# Altium PCB DIOT_Backplane.pcbdoc (part 3 of 11)
Units mm, origin at the board's own origin, x right, y up, seen from the top; angles counter-clockwise.
Board outline 304.8 x 128.5 mm, 14 copper layers (Top Layer, L2, L3GND, L4, L5GND, L6, L7GND, L8, L9GND, L10, L11GND, L12, L13GND, Bottom Layer), stack 4.06 mm thick; 141 components, 1224 nets, 5318 pads, 471 vias.
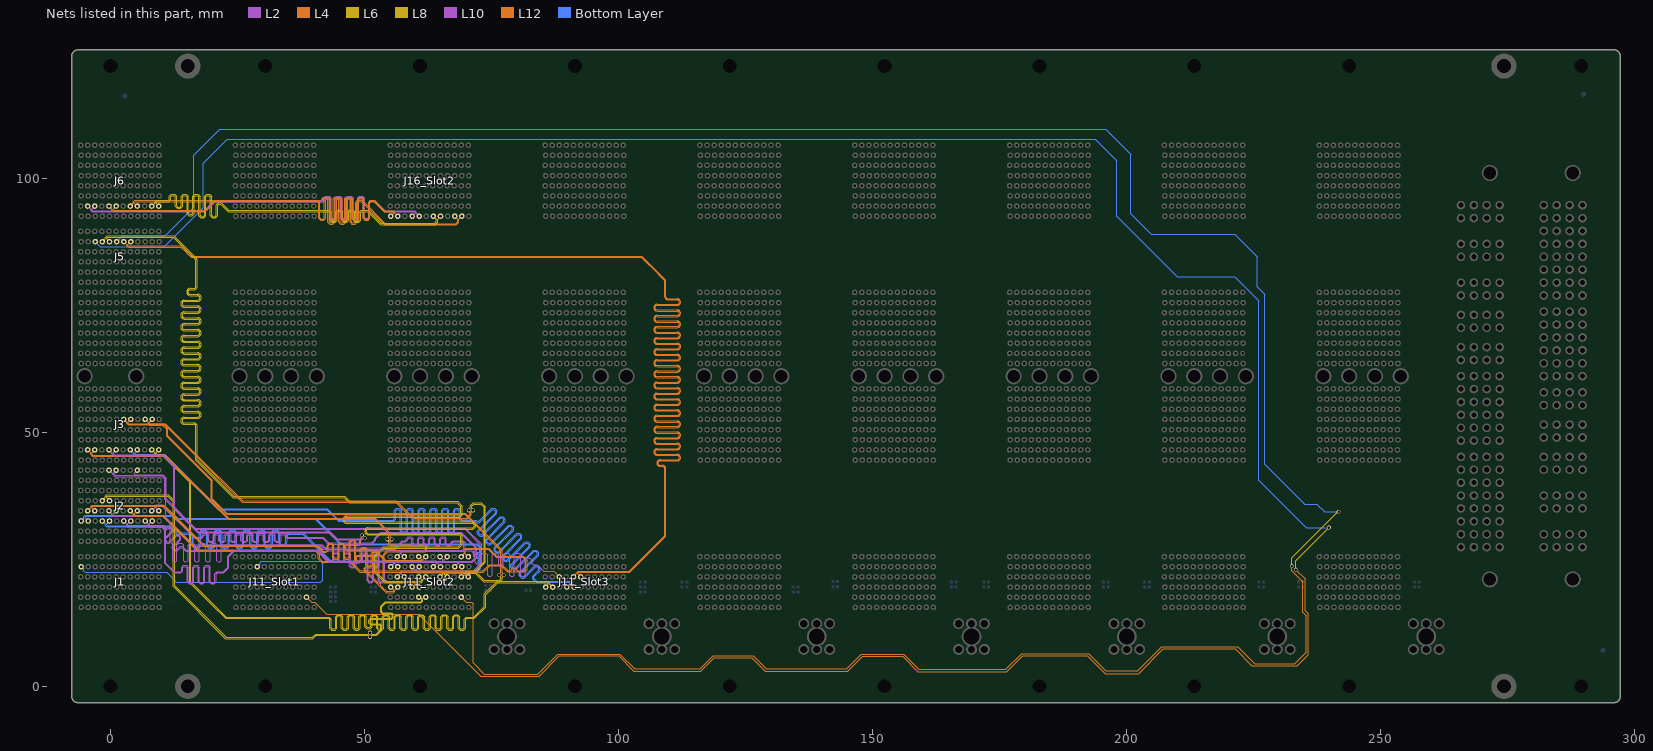
[diagram p15: the nets of this part, all layers, seen from the top]

## Via types
v1: diameter 0.75, hole 0.5, Top Layer to Bottom Layer, tented both sides, 429 vias
v2: diameter 0.85, hole 0.5, Top Layer to Bottom Layer, tented both sides, 32 vias
v3: diameter 1.3, hole 1, Top Layer to Bottom Layer, tented both sides, 10 vias

## Nets (pads, with @x,y where several pads share a name; then routed paths per layer and width w, separated by ;. In a path a pad name is that pad's centre, name@x,y a point inside that pad or via, vN(x,y) a via of type N, cw(c..) or ccw(c..) an arc to the next point about the centre after c; other vN are vias at no path point) (continued)
1_MGT_Tx_P: J1.A5 J11_Slot1.D5 | length 66.4
  Bottom Layer w0.15: J1.A5@-5.78,23.55 -5.603,23.55 -5.206,23.153 -5.206,22.674 -4.971,22.439 11.051,22.439 13.001,20.489 19.934,20.489 23.642,20.489 41.414,20.489 41.8,20.875 41.8,21.399 41.8,21.807 41.8,23.382 41.8,23.861 41.8,24.275 41.422,24.654 29.709,24.654 29.474,24.418 29.474,24.073 28.951,23.55 J11_Slot1.D5@28.9,23.55
1_SERVMOD: J5.C5 J11_Slot1.K2 | length 562.8
  L8 w0.102: v1(233.344,22.973) 233.344,24.728 v1(239.872,31.256)
  L12 w0.102: J11_Slot1.K2@38.6,17.55 39.604,16.546 40.254,16.546 42.565,14.235 60.701,14.235 72.915,2.02 84.424,2.02 88.387,5.983 100.093,5.983 103.068,3.008 116.222,3.008 118.892,5.678 126.207,5.678 128.9,2.986 145.181,2.986 148.127,5.932 155.951,5.932 158.973,2.909 176.448,2.909 179.573,6.034 192.321,6.034 195.829,2.526 202.407,2.526 207.259,7.377 221.384,7.377 224.683,4.078 233.598,4.078 235.783,6.262 235.783,14.263 235.173,14.873 ; v1(233.344,22.973) 235.173,21.144 235.173,14.873 ; 235.173,14.87 235.173,14.873
  Bottom Layer w0.102: J5.C5@-2.98,87.55 -1.981,86.551 10.639,86.551 18.32,94.232 18.32,102.95 23.02,107.65 28.32,107.65 193.913,107.65 198.12,103.443 198.12,92.55 210.02,80.65 221.32,80.65 226.092,75.878 226.092,40.54 235.376,31.256 v1(239.872,31.256)
2_CLK_N: J5.E5 J11_Slot2.F4 | length 318
  L8 w0.12: J5.E5@-0.18,87.55 -0.745,88.115 -0.745,88.209 -0.508,88.446 11.45,88.446 12.375,88.446 16.835,83.986 16.835,81.053 16.835,78.78 cw(c16.394,78.78) 16.394,78.339 15.689,78.339 ccw(c15.689,77.628) 15.689,76.917 17.15,76.917 cw(c17.15,76.476) 17.15,76.035 14.546,76.035 ccw(c14.546,75.324) 14.546,74.614 17.15,74.614 cw(c17.15,74.173) 17.15,73.732 14.546,73.732 ccw(c14.546,73.021) 14.546,72.31 17.15,72.31 cw(c17.15,71.869) 17.15,71.428 14.546,71.428 ccw(c14.546,70.717) 14.546,70.006 17.15,70.006 cw(c17.15,69.565) 17.15,69.124 14.546,69.124 ccw(c14.546,68.413) 14.546,67.702 17.15,67.702 cw(c17.15,67.261) 17.15,66.82 14.546,66.82 ccw(c14.546,66.11) 14.546,65.399 17.15,65.399 cw(c17.15,64.958) 17.15,64.517 14.546,64.517 ccw(c14.546,63.806) 14.546,63.095 17.15,63.095 cw(c17.15,62.654) 17.15,62.213 14.546,62.213 ccw(c14.546,61.502) 14.546,60.791 17.15,60.791 cw(c17.15,60.35) 17.15,59.909 14.546,59.909 ccw(c14.546,59.199) 14.546,58.488 17.15,58.488 cw(c17.15,58.047) 17.15,57.606 14.546,57.606 ccw(c14.546,56.895) 14.546,56.184 17.15,56.184 cw(c17.15,55.743) 17.15,55.302 14.546,55.302 ccw(c14.546,54.591) 14.546,53.88 17.15,53.88 cw(c17.15,53.439) 17.15,52.998 14.546,52.998 ccw(c14.546,52.288) 14.546,51.577 16.394,51.577 cw(c16.394,51.136) 16.835,51.136 16.835,50.941 16.835,44.539 24.216,37.158 46.009,37.158 47.035,36.133 68.219,36.133 68.981,35.371 68.981,34.939 68.981,33.975 cw(c68.54,33.975) 68.54,33.534 46.498,33.534 ccw(c46.498,32.823) 46.498,32.113 71.196,32.113 cw(c71.196,31.672) 71.196,31.231 50.747,31.231 ccw(c50.747,30.52) 50.747,29.809 68.54,29.809 cw(c68.54,29.368) 68.981,29.368 68.981,29.173 68.981,28.03 68.438,27.487 53.757,27.487 52.05,25.78 52.05,22.32 53.971,20.399 57.627,20.399 61.163,20.399 61.515,20.751 61.515,20.985 J11_Slot2.F4@62.08,21.55
2_CLK_P: J5.D5 J11_Slot2.E4 | length 318
  L8 w0.12: J5.D5@-1.58,87.55 -1.015,88.115 -1.015,88.321 -0.62,88.716 11.45,88.716 12.487,88.716 17.105,84.098 17.105,81.053 17.105,78.78 cw(c16.394,78.78) 16.394,78.069 15.689,78.069 ccw(c15.689,77.628) 15.689,77.187 17.15,77.187 cw(c17.15,76.476) 17.15,75.765 14.546,75.765 ccw(c14.546,75.324) 14.546,74.883 17.15,74.883 cw(c17.15,74.173) 17.15,73.462 14.546,73.462 ccw(c14.546,73.021) 14.546,72.58 17.15,72.58 cw(c17.15,71.869) 17.15,71.158 14.546,71.158 ccw(c14.546,70.717) 14.546,70.276 17.15,70.276 cw(c17.15,69.565) 17.15,68.854 14.546,68.854 ccw(c14.546,68.413) 14.546,67.972 17.15,67.972 cw(c17.15,67.261) 17.15,66.551 14.546,66.551 ccw(c14.546,66.11) 14.546,65.669 17.15,65.669 cw(c17.15,64.958) 17.15,64.247 14.546,64.247 ccw(c14.546,63.806) 14.546,63.365 17.15,63.365 cw(c17.15,62.654) 17.15,61.943 14.546,61.943 ccw(c14.546,61.502) 14.546,61.061 17.15,61.061 cw(c17.15,60.35) 17.15,59.64 14.546,59.64 ccw(c14.546,59.199) 14.546,58.758 17.15,58.758 cw(c17.15,58.047) 17.15,57.336 14.546,57.336 ccw(c14.546,56.895) 14.546,56.454 17.15,56.454 cw(c17.15,55.743) 17.15,55.032 14.546,55.032 ccw(c14.546,54.591) 14.546,54.15 17.15,54.15 cw(c17.15,53.439) 17.15,52.729 14.546,52.729 ccw(c14.546,52.288) 14.546,51.847 16.394,51.847 cw(c16.394,51.136) 17.105,51.136 17.105,50.941 17.105,44.651 24.328,37.428 46.121,37.428 47.147,36.402 68.331,36.402 69.251,35.482 69.251,34.939 69.251,33.975 cw(c68.54,33.975) 68.54,33.264 46.498,33.264 ccw(c46.498,32.823) 46.498,32.382 71.196,32.382 cw(c71.196,31.672) 71.196,30.961 50.747,30.961 ccw(c50.747,30.52) 50.747,30.079 68.54,30.079 cw(c68.54,29.368) 69.251,29.368 69.251,29.173 69.251,27.918 68.55,27.217 53.869,27.217 52.32,25.668 52.32,22.432 54.082,20.669 57.627,20.669 61.051,20.669 61.245,20.863 61.245,20.985 J11_Slot2.E4@60.68,21.55
2_DIFF_0_N: J3.C2 J11_Slot2.E3 | length 97.9
  L4 w0.102: J3.C2@-3.08,46.55 -3.666,45.964 -3.666,45.743 -3.463,45.541 10.799,45.541 11.688,44.651 23.255,33.085 52.129,33.085 54.102,31.112 55.05,30.164 55.05,29.301 55.384,28.967 v1(55.384,28.928)
  L12 w0.102: v1(55.384,28.928) 55.384,28.889 55.05,28.555 55.05,27.918 55.089,27.879 61.937,27.879 62.269,27.547 62.269,26.853 61.956,26.54 54.63,26.54 53.94,25.85 53.94,21.125 54.391,20.674 55.265,20.674 59.834,20.674 60.194,20.313 60.194,20.135 J11_Slot2.E3@60.78,19.55
2_DIFF_0_P: J3.B2 J11_Slot2.D3 | length 97.8
  L4 w0.102: J3.B2@-4.48,46.55 -3.895,45.965 -3.895,45.648 -3.558,45.312 10.704,45.312 11.364,44.651 11.526,44.489 23.16,32.856 52.034,32.856 53.778,31.112 53.94,30.95 54.821,30.069 54.821,29.301 54.532,29.012 v1(54.532,28.928)
  L12 w0.102: v1(54.532,28.928) 54.532,28.844 54.821,28.555 54.821,27.823 54.995,27.65 61.842,27.65 62.04,27.452 62.04,26.948 61.861,26.769 54.535,26.769 53.711,25.945 53.711,21.031 53.793,20.948 54.296,20.445 59.739,20.445 59.966,20.218 59.966,20.135 J11_Slot2.D3@59.38,19.55
2_DIFF_1_N: J3.F2 J11_Slot2.B3 | length 98
  L2 w0.102: J3.F2@1.12,46.55 0.534,45.965 0.534,45.861 0.779,45.617 9.037,45.617 10.418,45.617 12.695,43.34 12.695,35.04 13.431,34.304 17.267,30.468 43.194,30.468 44.591,29.071 49.245,29.071 49.489,29.315 49.489,29.773 v1@49.499,29.783
  L12 w0.102: v1@49.499,29.783 49.489,29.773 49.489,29.315 49.076,28.903 49.076,28.512 49.076,28.211 48.86,27.995 46.409,27.995 46.058,27.645 46.058,27.023 46.409,26.673 52.443,26.673 52.659,26.457 52.659,26.025 52.443,25.809 48.595,25.809 48.244,25.459 48.244,24.837 48.595,24.487 52.443,24.487 52.659,24.271 52.659,23.839 52.443,23.623 50.314,23.623 49.964,23.273 49.964,22.778 50.492,22.25 54.278,18.464 55.77,18.464 55.995,18.689 55.995,18.965 J11_Slot2.B3@56.58,19.55
  other v1: 49.505,29.754
2_DIFF_1_P: J3.E2 J11_Slot2.A3 | length 98
  L2 w0.102: J3.E2@-0.28,46.55 0.306,45.965 0.306,45.766 0.684,45.388 10.323,45.388 10.993,44.718 11.155,44.556 12.466,43.245 12.466,34.946 13.269,34.142 13.431,33.98 17.172,30.239 43.099,30.239 43.403,29.935 43.565,29.773 44.419,28.919 44.496,28.842 49.34,28.842 49.651,29.153 50.109,29.153 v1(50.119,29.163)
  L12 w0.102: v1(50.119,29.163) 50.109,29.153 49.651,29.153 49.305,28.808 49.305,28.512 49.305,28.116 48.955,27.766 46.503,27.766 46.287,27.55 46.287,27.118 46.503,26.902 52.538,26.902 52.888,26.552 52.888,25.93 52.538,25.58 48.689,25.58 48.473,25.364 48.473,24.932 48.689,24.716 52.538,24.716 52.888,24.366 52.888,23.744 52.538,23.394 50.409,23.394 50.193,23.178 50.193,22.873 50.816,22.25 52.218,20.848 52.254,20.812 52.627,20.439 ccw(c52.752,20.565) 52.878,20.439 cw(c53.004,20.313) 53.13,20.439 cw(c53.004,20.313) 53.13,20.187 ccw(c53.256,20.061) 53.13,19.936 53.382,19.684 53.418,19.648 54.373,18.693 55.675,18.693 55.765,18.784 55.765,18.965 J11_Slot2.A3@55.18,19.55
2_DIFF_2_N: J2.F8 J11_Slot2.C4 | length 102.8
  L10 w0.102: J2.F8@1.12,42.55 0.561,41.991 0.561,41.907 0.951,41.517 10.275,41.517 10.774,41.019 10.967,40.825 10.967,36.92 16.737,31.15 69.897,31.15 73.074,27.973 73.074,24.06 71.504,22.491 57.537,22.491 57.295,22.248 57.295,22.136 J11_Slot2.C4@57.88,21.55
2_DIFF_2_P: J2.E8 J11_Slot2.B4 | length 102.9
  L10 w0.102: J2.E8@-0.28,42.55 0.332,41.938 0.332,41.812 0.856,41.288 10.18,41.288 10.545,40.924 10.738,40.73 10.738,36.825 14.352,33.212 16.642,30.921 16.832,30.921 69.802,30.921 72.845,27.878 72.845,24.155 71.41,22.719 57.443,22.719 57.065,22.342 57.065,22.136 J11_Slot2.B4@56.48,21.55
2_DIFF_3_N: J3.H5 J11_Slot2.L4 | length 98.6
  L4 w0.102: J3.H5@4.02,52.55 3.434,51.965 3.434,51.876 3.623,51.688 10.837,51.688 16.809,45.715 26.011,36.514 56.249,36.514 59.713,33.05 70.027,33.05 70.839,33.861 70.839,34.278 70.527,34.589 v1(70.527,34.629)
  L8 w0.12: J11_Slot2.L4@70.48,21.55 70.283,21.55 69.915,21.918 69.915,22.017 70.178,22.28 71.689,22.28 73.818,24.409 73.818,35.335 73.03,36.123 71.384,36.123 70.818,35.557 70.818,35.014 70.527,34.723 v1(70.527,34.629)
2_DIFF_3_P: J3.G5 J11_Slot2.K4 | length 98.5
  L4 w0.102: J3.G5@2.62,52.55 3.206,51.965 3.206,51.782 3.529,51.459 10.742,51.459 14.441,47.76 16.58,45.62 25.916,36.285 56.154,36.285 57.281,35.158 59.618,32.821 70.122,32.821 71.068,33.766 71.068,34.278 71.379,34.589 v1(71.379,34.629)
  L8 w0.12: J11_Slot2.K4@69.08,21.55 69.277,21.55 69.645,21.918 69.645,22.129 70.066,22.55 71.577,22.55 73.548,24.521 73.548,35.223 72.918,35.853 71.496,35.853 71.088,35.446 71.088,35.014 71.379,34.723 v1(71.379,34.629)
2_DIFF_4_N: J3.K5 J11_Slot2.I4 | length 103
  L12 w0.102: J3.K5@8.22,52.55 7.635,51.965 7.635,51.817 7.797,51.654 10.324,51.654 11.316,50.662 11.316,49.367 20.086,40.597 20.086,36.948 22.949,34.085 69.854,34.085 70.083,33.856 77.106,26.832 77.106,22.397 77.409,22.095 v1(77.409,21.92)
  L6 w0.102: J11_Slot2.I4@66.28,21.55 66.205,21.55 65.694,22.061 65.694,22.145 65.899,22.35 71.74,22.35 72.34,21.75 73.469,20.621 76.68,20.621 77.102,21.043 77.102,21.466 77.409,21.773 v1(77.409,21.92)
2_DIFF_4_P: J3.J5 J11_Slot2.H4 | length 103
  L12 w0.102: J3.J5@6.82,52.55 7.406,51.964 7.406,51.722 7.702,51.425 10.229,51.425 11.087,50.567 11.087,49.272 19.857,40.502 19.857,36.853 22.854,33.856 69.759,33.856 69.921,33.694 76.877,26.738 76.877,22.415 76.557,22.095 v1(76.557,21.92)
  L6 w0.102: J11_Slot2.H4@64.88,21.55 64.955,21.55 65.466,22.061 65.466,22.24 65.804,22.579 71.835,22.579 72.664,21.75 73.564,20.85 76.585,20.85 76.873,21.138 76.873,21.466 76.557,21.782 v1(76.557,21.92)
2_DIFF_5_N: J2.H3 J11_Slot2.K5 | length 97.2
  L2 w0.102: J2.H3@4.02,32.55 3.434,31.965 3.434,31.785 3.547,31.672 10.373,31.672 10.912,31.133 10.912,24.278 12.64,22.55 13.673,22.55 13.791,22.55 14.007,22.766 14.007,23.47 14.357,23.82 14.979,23.82 15.329,23.47 15.329,20.637 15.545,20.421 15.977,20.421 16.193,20.637 16.193,23.47 16.543,23.82 17.165,23.82 17.515,23.47 17.515,20.637 17.731,20.421 18.163,20.421 18.379,20.637 18.379,23.47 18.729,23.82 19.351,23.82 19.701,23.47 19.701,20.637 19.917,20.421 20.349,20.421 20.565,20.637 20.565,22.2 20.915,22.55 22.095,22.55 22.24,22.55 23.111,23.421 23.111,25.645 24.277,26.811 40.939,26.811 43.088,24.662 45.61,24.662 68.317,24.662 68.595,24.385 68.595,24.135 J11_Slot2.K5@69.18,23.55
2_DIFF_5_P: J2.G3 J11_Slot2.J5 | length 97.2
  L2 w0.102: J2.G3@2.62,32.55 3.206,31.965 3.206,31.69 3.452,31.443 10.278,31.443 10.683,31.038 10.683,24.183 12.545,22.321 13.673,22.321 13.886,22.321 14.236,22.671 14.236,23.375 14.452,23.591 14.884,23.591 15.1,23.375 15.1,20.542 15.45,20.192 16.072,20.192 16.422,20.542 16.422,23.375 16.638,23.591 17.07,23.591 17.286,23.375 17.286,20.542 17.636,20.192 18.258,20.192 18.608,20.542 18.608,23.375 18.824,23.591 19.256,23.591 19.472,23.375 19.472,20.542 19.822,20.192 20.444,20.192 20.794,20.542 20.794,22.105 21.01,22.321 22.095,22.321 22.335,22.321 23.34,23.326 23.34,25.55 24.372,26.582 40.844,26.582 41.784,25.642 42.993,24.433 68.222,24.433 68.365,24.29 68.365,24.136 J11_Slot2.J5@67.78,23.55
2_DIFF_6_N: J2.K3 J11_Slot2.H5 | length 98.6
  L10 w0.102: J2.K3@8.22,32.55 7.635,31.965 7.635,31.781 7.729,31.686 9.978,31.686 10.074,31.686 10.726,31.033 11.032,31.033 11.37,31.371 11.865,31.371 12.304,30.931 12.304,30.436 10.9,29.032 10.9,28.727 11.206,28.421 11.511,28.421 12.915,29.825 13.411,29.825 13.85,29.386 13.85,28.891 12.446,27.487 12.446,27.181 12.752,26.876 13.057,26.876 13.723,27.542 14.218,27.542 14.369,27.391 14.958,26.802 40.764,26.802 42.891,24.675 43.202,24.675 43.54,24.675 43.756,24.891 43.756,25.97 44.106,26.32 44.728,26.32 45.078,25.97 45.078,24.864 45.294,24.648 45.726,24.648 45.942,24.864 45.942,25.97 46.292,26.32 46.914,26.32 47.264,25.97 47.264,23.758 47.48,23.542 47.912,23.542 48.128,23.758 48.128,24.325 48.478,24.675 48.691,24.675 48.949,24.675 49.202,24.675 49.418,24.891 49.418,25.919 49.768,26.27 50.39,26.27 50.74,25.919 50.74,20.853 50.956,20.637 51.388,20.637 51.604,20.853 51.604,25.919 51.954,26.27 52.576,26.27 52.926,25.919 52.926,20.853 53.142,20.637 53.574,20.637 53.79,20.853 53.79,24.325 54.14,24.675 54.353,24.675 64.117,24.675 64.394,24.398 64.394,24.136 J11_Slot2.H5@64.98,23.55
2_DIFF_6_P: J2.J3 J11_Slot2.G5 | length 98.6
  L10 w0.102: J2.J3@6.82,32.55 7.405,31.965 7.405,31.686 7.635,31.457 9.749,31.457 9.979,31.457 10.632,30.804 11.127,30.804 11.464,31.142 11.77,31.142 12.075,30.837 12.075,30.531 10.671,29.127 10.671,28.632 11.111,28.192 11.606,28.192 13.01,29.596 13.316,29.596 13.621,29.291 13.621,28.985 12.217,27.581 12.217,27.086 12.657,26.647 13.152,26.647 13.818,27.313 14.123,27.313 14.207,27.229 14.863,26.573 40.67,26.573 42.796,24.446 43.202,24.446 43.635,24.446 43.985,24.796 43.985,25.875 44.201,26.091 44.633,26.091 44.849,25.875 44.849,24.769 45.199,24.419 45.821,24.419 46.171,24.769 46.171,25.875 46.387,26.091 46.819,26.091 47.035,25.875 47.035,23.663 47.385,23.313 48.007,23.313 48.357,23.663 48.357,24.23 48.573,24.446 48.691,24.446 48.949,24.446 49.297,24.446 49.647,24.796 49.647,25.825 49.863,26.041 50.295,26.041 50.511,25.825 50.511,20.758 50.861,20.408 51.483,20.408 51.833,20.758 51.833,25.825 52.049,26.041 52.481,26.041 52.697,25.825 52.697,20.758 53.047,20.408 53.669,20.408 54.019,20.758 54.019,24.23 54.235,24.446 54.353,24.446 64.023,24.446 64.166,24.303 64.166,24.136 J11_Slot2.G5@63.58,23.55
2_DIFF_7_N: J2.C4 J11_Slot2.F6 | length 96.3
  L4 w0.102: J2.C4@-3.08,34.55 -3.665,35.135 -3.665,35.226 -3.447,35.445 10.5,35.445 18.374,27.571 40.595,27.571 41.816,26.35 42.309,26.35 42.522,26.35 42.872,26.7 42.872,27.724 43.088,27.94 43.52,27.94 43.736,27.724 43.736,25.402 44.087,25.052 44.708,25.052 45.058,25.402 45.058,27.724 45.274,27.94 45.706,27.94 45.922,27.724 45.922,25.402 46.273,25.052 46.894,25.052 47.244,25.402 47.244,28.398 47.46,28.614 47.892,28.614 48.108,28.398 48.108,24.659 48.459,24.309 49.08,24.309 49.43,24.659 49.43,26.974 49.646,27.19 50.078,27.19 50.294,26.974 50.294,23.879 50.645,23.529 51.266,23.529 51.616,23.879 51.616,26.134 51.832,26.35 52.316,26.35 52.411,26.255 53.578,25.088 54.092,24.574 61.301,24.574 61.494,24.768 61.494,24.965 J11_Slot2.F6@62.08,25.55
2_DIFF_7_P: J2.B4 J11_Slot2.E6 | length 96.3
  L4 w0.102: J2.B4@-4.48,34.55 -3.895,35.135 -3.895,35.32 -3.541,35.673 10.595,35.673 18.469,27.8 40.69,27.8 41.911,26.579 42.309,26.579 42.427,26.579 42.643,26.795 42.643,27.819 42.994,28.169 43.615,28.169 43.965,27.819 43.965,25.497 44.181,25.281 44.613,25.281 44.829,25.497 44.829,27.819 45.18,28.169 45.801,28.169 46.151,27.819 46.151,25.497 46.367,25.281 46.799,25.281 47.015,25.497 47.015,28.493 47.366,28.843 47.987,28.843 48.337,28.493 48.337,24.754 48.553,24.538 48.985,24.538 49.201,24.754 49.201,27.069 49.552,27.419 50.173,27.419 50.523,27.069 50.523,23.974 50.739,23.758 51.171,23.758 51.387,23.974 51.387,26.229 51.738,26.579 52.411,26.579 52.928,26.062 53.578,25.412 53.74,25.25 54.187,24.803 61.206,24.803 61.266,24.863 61.266,24.965 J11_Slot2.E6@60.68,25.55
2_DIFF_8_N: J2.F4 J11_Slot2.C6 | length 98.1
  L10 w0.102: J2.F4@1.12,34.55 0.534,33.965 0.534,33.877 0.694,33.718 10.411,33.718 12.949,31.18 16.277,27.851 41.296,27.851 41.906,27.241 56.007,27.241 57.43,28.664 57.937,28.664 58.055,28.664 58.271,28.88 58.271,29.076 58.621,29.426 59.242,29.426 59.593,29.076 59.593,28.118 59.809,27.902 60.241,27.902 60.457,28.118 60.457,29.076 60.807,29.426 61.428,29.426 61.779,29.076 61.779,28.118 61.995,27.902 62.427,27.902 62.643,28.118 62.643,29.076 62.993,29.426 63.614,29.426 63.965,29.076 63.965,28.118 64.181,27.902 64.613,27.902 64.829,28.118 64.829,29.076 65.179,29.426 65.8,29.426 66.151,29.076 66.151,28.118 66.367,27.902 66.799,27.902 67.015,28.118 67.015,28.314 67.365,28.664 68.023,28.664 69.46,28.664 69.802,28.322 69.802,26.988 69.364,26.55 57.394,26.55 57.294,26.45 57.294,26.136 J11_Slot2.C6@57.88,25.55
2_DIFF_8_P: J2.E4 J11_Slot2.B6 | length 98.1
  L10 w0.102: J2.E4@-0.28,34.55 0.306,33.965 0.306,33.782 0.599,33.489 10.316,33.489 12.625,31.18 12.787,31.018 16.182,27.622 41.201,27.622 41.812,27.012 56.102,27.012 57.525,28.435 57.937,28.435 58.149,28.435 58.5,28.785 58.5,28.981 58.716,29.197 59.148,29.197 59.364,28.981 59.364,28.023 59.714,27.673 60.335,27.673 60.686,28.023 60.686,28.981 60.902,29.197 61.334,29.197 61.55,28.981 61.55,28.023 61.9,27.673 62.521,27.673 62.872,28.023 62.872,28.981 63.088,29.197 63.52,29.197 63.736,28.981 63.736,28.023 64.086,27.673 64.707,27.673 65.058,28.023 65.058,28.981 65.274,29.197 65.706,29.197 65.922,28.981 65.922,28.023 66.272,27.673 66.893,27.673 67.244,28.023 67.244,28.219 67.46,28.435 68.023,28.435 69.365,28.435 69.573,28.227 69.573,27.083 69.269,26.779 57.3,26.779 57.065,26.545 57.065,26.136 J11_Slot2.B6@56.48,25.55
2_DIFF_9_N: J2.I4 J11_Slot2.L6 | length 101.8
  L4 w0.102: J2.I4@5.32,34.55 4.734,33.965 4.734,33.868 4.885,33.718 10.36,33.718 17.19,26.887 40.427,26.887 41.17,26.143 41.17,25.22 41.74,24.65 47.266,24.65 49.196,22.719 52.669,22.719 73.286,22.719 74.545,23.979 77.011,23.979 78.175,22.815 78.226,22.764 78.301,22.764 78.755,22.764 ccw(c78.755,22.942) 78.933,22.942 78.933,23.094 cw(c79.111,23.094) 79.111,23.272 cw(c79.111,23.094) 79.289,23.094 79.289,22.942 ccw(c79.467,22.942) 79.467,22.764 ccw(c79.467,22.942) 79.645,22.942 79.645,23.094 cw(c79.823,23.094) 79.823,23.272 cw(c79.823,23.094) 80.001,23.094 80.001,22.942 ccw(c80.179,22.942) 80.179,22.764 80.586,22.764 80.87,22.764 81.579,22.764 81.777,22.963 81.777,24.769 81.125,25.421 75.945,25.421 74.417,26.949 71.362,26.949 70.024,26.949 69.895,26.82 69.895,26.136 J11_Slot2.L6@70.48,25.55
2_DIFF_9_P: J2.H4 J11_Slot2.K6 | length 101.9
  L4 w0.102: J2.H4@3.92,34.55 4.506,33.965 4.506,33.773 4.79,33.489 10.265,33.489 17.096,26.658 40.332,26.658 40.941,26.049 40.941,25.125 41.645,24.421 47.171,24.421 49.101,22.491 51.234,22.491 73.38,22.491 74.64,23.75 76.916,23.75 77.916,22.75 78.131,22.535 81.674,22.535 82.006,22.868 82.006,24.863 81.22,25.65 76.04,25.65 74.512,27.178 70.119,27.178 69.929,27.178 69.862,27.111 69.665,26.915 69.665,26.136 J11_Slot2.K6@69.08,25.55
2_DIFF_10_N: J2.L4 J11_Slot2.I6 | length 97.9
  L10 w0.102: J2.L4@9.52,34.55 8.934,35.136 8.934,35.278 9.126,35.47 10.225,35.47 16.588,29.107 17.72,29.107 17.933,29.107 18.283,29.457 18.283,29.653 18.499,29.869 18.931,29.869 19.147,29.653 19.147,28.695 19.497,28.345 20.119,28.345 20.469,28.695 20.469,29.653 20.685,29.869 21.117,29.869 21.333,29.653 21.333,28.695 21.683,28.345 22.305,28.345 22.655,28.695 22.655,29.653 22.871,29.869 23.303,29.869 23.519,29.653 23.519,28.695 23.869,28.345 24.491,28.345 24.841,28.695 24.841,29.653 25.057,29.869 25.489,29.869 25.705,29.653 25.705,28.695 26.055,28.345 26.677,28.345 27.027,28.695 27.027,29.653 27.243,29.869 27.675,29.869 27.891,29.653 27.891,28.695 28.241,28.345 28.863,28.345 29.213,28.695 29.213,29.653 29.429,29.869 29.861,29.869 30.077,29.653 30.077,28.695 30.427,28.345 31.049,28.345 31.399,28.695 31.399,29.653 31.615,29.869 32.047,29.869 32.263,29.653 32.263,28.695 32.613,28.345 33.235,28.345 33.585,28.695 33.585,29.653 33.801,29.869 34.233,29.869 34.449,29.653 34.449,29.457 34.799,29.107 35.774,29.107 41.818,29.107 41.955,28.97 42.921,28.004 51.489,28.004 52.24,28.755 52.24,29.05 53.34,30.15 68.95,30.15 71.876,27.224 71.906,27.195 71.906,26.817 cw(c71.728,26.817) 71.728,26.639 71.446,26.639 ccw(c71.446,26.461) 71.268,26.461 ccw(c71.446,26.461) 71.446,26.283 71.728,26.283 cw(c71.728,26.105) 71.906,26.105 cw(c71.728,26.105) 71.728,25.927 71.579,25.927 ccw(c71.579,25.749) 71.401,25.749 ccw(c71.579,25.749) 71.579,25.571 71.622,25.571 cw(c71.622,25.393) 71.748,25.268 71.533,25.052 71.091,24.61 65.754,24.61 65.695,24.67 65.695,24.965 J11_Slot2.I6@66.28,25.55
2_DIFF_10_P: J2.K4 J11_Slot2.H6 | length 97.9
  L10 w0.102: J2.K4@8.12,34.55 8.705,35.135 8.705,35.373 9.032,35.699 10.32,35.699 16.683,29.336 17.72,29.336 17.838,29.336 18.054,29.552 18.054,29.748 18.404,30.098 19.026,30.098 19.376,29.748 19.376,28.79 19.592,28.574 20.024,28.574 20.24,28.79 20.24,29.748 20.59,30.098 21.212,30.098 21.562,29.748 21.562,28.79 21.778,28.574 22.21,28.574 22.426,28.79 22.426,29.748 22.776,30.098 23.398,30.098 23.748,29.748 23.748,28.79 23.964,28.574 24.396,28.574 24.612,28.79 24.612,29.748 24.962,30.098 25.584,30.098 25.934,29.748 25.934,28.79 26.15,28.574 26.582,28.574 26.798,28.79 26.798,29.748 27.148,30.098 27.77,30.098 28.12,29.748 28.12,28.79 28.336,28.574 28.768,28.574 28.984,28.79 28.984,29.748 29.334,30.098 29.956,30.098 30.306,29.748 30.306,28.79 30.522,28.574 30.954,28.574 31.17,28.79 31.17,29.748 31.52,30.098 32.142,30.098 32.492,29.748 32.492,28.79 32.708,28.574 33.14,28.574 33.356,28.79 33.356,29.748 33.706,30.098 34.328,30.098 34.678,29.748 34.678,29.552 34.894,29.336 35.774,29.336 41.913,29.336 42.279,28.97 43.016,28.233 51.394,28.233 52.011,28.85 52.011,29.145 53.245,30.379 69.045,30.379 72.135,27.29 72.135,25.33 71.185,24.381 65.659,24.381 65.466,24.575 65.466,24.965 J11_Slot2.H6@64.88,25.55
2_DIFF_11_N: J6.C2 J16_Slot2.E1 | length 99.4
  L10 w0.102: J6.C2@-3.08,94.55 -3.665,93.965 -3.665,93.855 -3.447,93.636 18.43,93.636 20.436,95.643 40.988,95.643 41.881,95.643 42.097,95.859 42.097,96.15 42.447,96.501 43.069,96.501 43.419,96.15 43.419,92.382 43.635,92.166 44.067,92.166 44.283,92.382 44.283,96.15 44.633,96.501 45.255,96.501 45.605,96.15 45.605,92.382 45.821,92.166 46.253,92.166 46.469,92.382 46.469,96.15 46.819,96.501 47.441,96.501 47.791,96.15 47.791,92.382 48.007,92.166 48.439,92.166 48.655,92.382 48.655,96.15 49.005,96.501 49.627,96.501 49.977,96.15 49.977,92.382 50.193,92.166 50.625,92.166 50.841,92.382 50.841,95.293 51.191,95.643 51.404,95.643 51.971,95.643 53.966,93.648 54.557,93.648 59.884,93.648 60.194,93.338 60.194,93.136 J16_Slot2.E1@60.78,92.55